# KiCad board DFTBoard.kicad_pcb (continued)
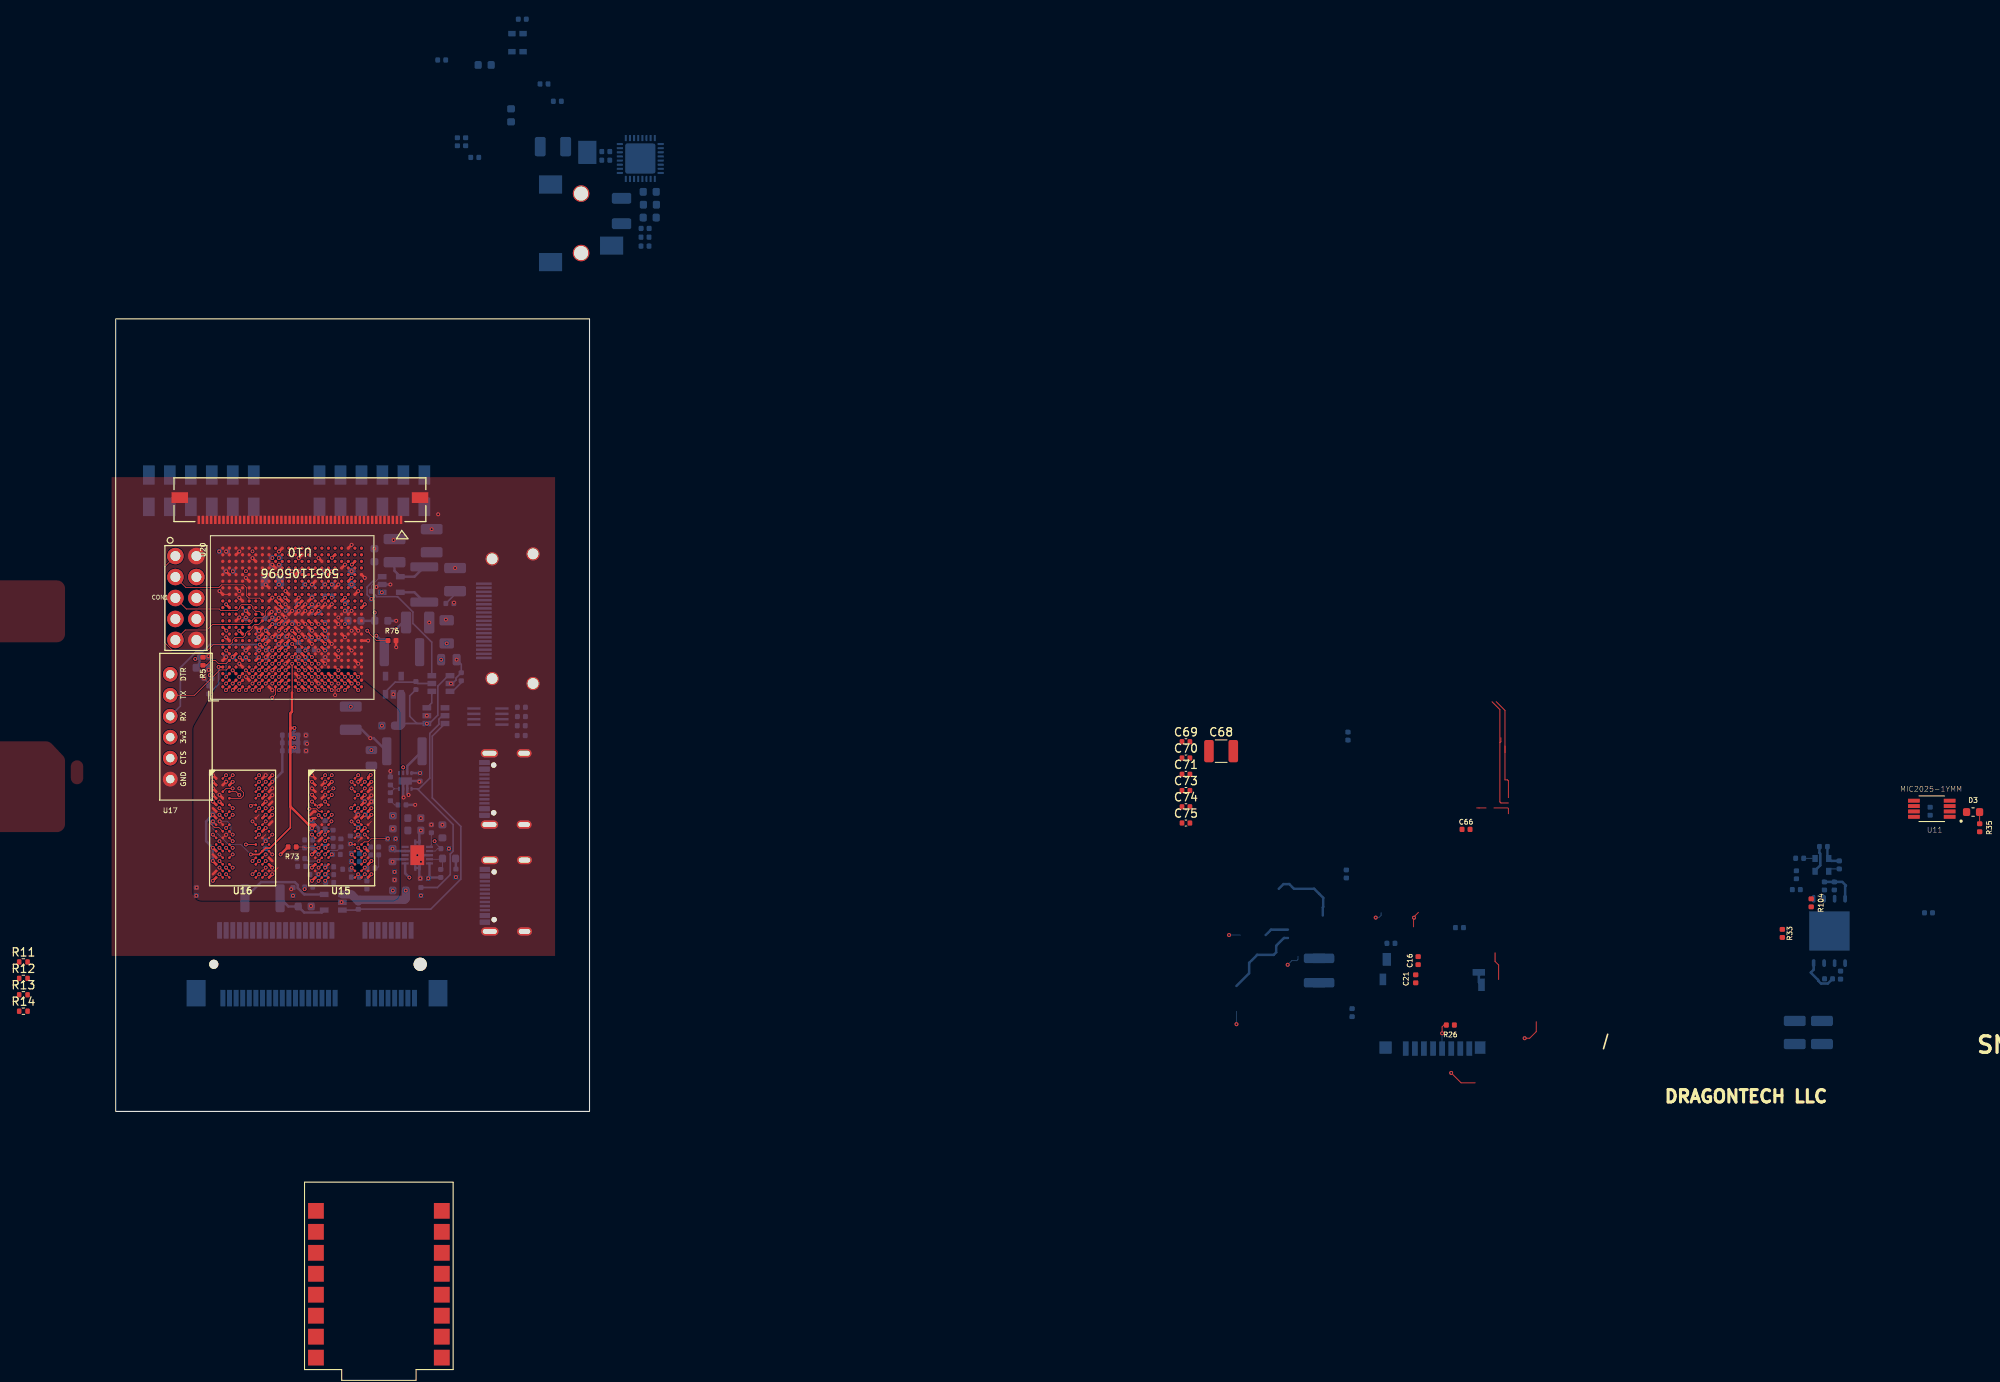
[diagram p0: board, top side]
## Routing (per net, layer and track width the routed paths; a pad name or vN(x,y) marks a point on that pad's centre or on a via; arc(x,y) is an arc through that point) (continued)
/Power/1V0TOLX: length 3.4
  BOTTOM w0.3: U3.5 36.18,62.88 L3.1
/Power/3V3TOLX: length 11.2
  BOTTOM w0.3: U4.5 22.83,26.28 22.04,27.07 22.04,27.43 21.69,27.77 17.59,27.77 L2.1
/Power/VCCAUX: length 21.4
  TOP w0.3: U20.P11 v1(23.77,59.03) ; U20.L10 v1(20.57,58.23)
  Signal1 w0.3: v1(23.77,59.03) 24.26,59.52 25.6,59.52 26.72,58.4 27.14,58.4 v1(27.77,59.03)
  Signal2 w0.1: v1(20.57,58.23) 20.37,58.03 20.37,57.5 19.94,57.07 17.12,57.07 16.27,56.22 11.04,56.22 v1(9.63,54.81)
  BOTTOM w0.3: v1(9.63,54.81) 9.83,54.81 10.16,55.13 10.16,54.23 9.75,53.83 ; 28.13,59.39 v1(27.77,59.03)
GND: length 122.2
  TOP w0.102: U16.M9 v1(18.97,31.13) ; U15.E1 v1(23.77,37.53) ; v1(11.77,35.93) 11.37,35.53 11.37,34.96 11.93,34.41 12.49,34.41 U16.J2 ; 14.15,51.01 14.17,51.03 v1(14.19,51.03) ; U16.P9 18.96,29.53 ; U20.A15 U20.B15
  TOP w0.13: U20.L13 v1(20.57,61.43) ; U20.Y12 v1(28.57,60.63)
  TOP w0.3: U20.Y22 v1(28.57,68.63) ; U20.M8 v1(21.37,57.43) ; U15.A9 30.57,40.43 v1(30.88,40.75) ; v1(18.97,57.46) 19,57.46 U20.J9 ; U20.B18 v1(13.37,65.43) ; U20.K14 v1(19.77,62.23) ; U20.M10 v1(22.17,58.23) ; U15.E2 24.78,37.13 v1(24.59,36.93) ; U20.Y2 v1(28.57,51.83) ; U20.C16 v1(14.97,63.03) ; U16.B1 v1(11.77,39.93) ; U16.T9 v1(18.97,28.73) ; U20.D14 v1(14.97,62.23) ; U20.R11 v1(24.57,59.03) ; U15.M9 v1(30.17,31.93) ; 14.57,51.41 v1(14.19,51.03) ; U20.T20 v1(24.57,67.03) ; v1(33.97,56.23) 33.95,56.24 R76.2 ; U20.V11 v1(26.97,59.03) ; U20.G10 v1(17.37,58.23) U20.F10 ; U15.B1 v1(23.77,39.93) ; U20.U3 v1(26.17,52.63) ; U20.M18 v1(22.17,65.43) ; 18.57,29.92 v1(18.96,29.53) ; U15.J8 v1(30.17,34.33) ; U15.G8 v1(30.17,35.93) ; U20.U13 v1(26.17,61.43) ; v1(20.76,57.53) 20.76,57.62 U20.L9 ; U20.K12 v1(20.57,59.83) ; 24.97,33.92 v1(24.57,33.52) ; U20.AA5 v1(29.37,54.23) ; U15.G9 v1(30.97,35.93) ; U20.K8 v1(19.77,56.63) ; U16.E2 v1(12.57,37.53) ; U20.H8 v1(18.17,56.63) ; 18.57,35.53 v1(18.96,35.92) ; v1(22.17,60.63) U20.M12 ; U20.C11 v1(14.97,59.83) ; U20.N1 v1(22.97,51.03) ; U20.N11 v1(22.97,59.03) ; U20.W9 v1(27.77,57.43) ; U20.V16 v1(26.97,63.83) ; U15.G1 23.87,35.53 v1(23.67,35.33) ; U20.AB8 v1(30.57,57.03) ; U20.L5 v1(20.57,54.23) ; U20.A15 v1(12.57,63.03) ; 18.57,36.33 v1(18.97,36.72) ; U20.W19 v1(27.77,66.23) ; U20.H16 v1(18.17,63.83) ; U15.D8 v1(30.17,38.33) ; U15.B9 v1(30.97,39.93) ; U16.E1 v1(11.77,37.53) ; U20.E17 v1(15.77,64.63) ; U20.N9 v1(22.97,57.43) ; v1(18.97,62.23) U20.H14 ; U20.F20 v1(16.57,67.03) ; U16.J8 v1(18.17,34.33) ; U20.J13 19.77,60.63 v1(19.77,60.6) ; U20.L12 v1(21.37,60.63) ; U20.G3 v1(17.37,52.63) ; U20.J11 19.71,59.77 v1(19.74,59.77) ; U20.N12 v1(22.97,60.63) ; U20.R17 v1(23.77,63.83) ; U15.F9 v1(30.97,36.73) ; v1(17.37,57.46) 17.4,57.46 U20.G9 ; U20.N13 v1(22.97,61.43) ; U16.D8 v1(18.17,38.33) ; U20.K2 v1(19.77,51.83) ; U20.Y7 v1(28.57,55.83) ; U15.P9 v1(30.97,30.33) ; U15.T9 v1(30.97,28.73) ; U20.B8 v1(13.37,57.43) ; U20.T13 v1(25.37,61.43) ; U20.U8 v1(26.17,56.63) ; U16.M1 v1(11.77,31.93) ; U20.R13 v1(24.57,61.43) ; U20.AA15 v1(29.37,63.03) ; U16.T1 v1(11.77,27.93) ; U20.H6 v1(18.17,55.03) ; U20.R9 v1(24.57,57.43) ; U20.P10 v1(23.77,58.23) ; U16.A9 v1(18.97,40.73) ; U15.B3 v1(26.17,39.93) ; U16.G1 v1(11.77,35.93) ; U20.P14 v1(23.77,62.23) ; U20.AB18 v1(30.17,64.63) ; U20.T5 v1(25.37,54.23) ; U20.P12 v1(23.77,60.63) ; U15.D1 24.17,37.96 v1(23.77,38.35) ; U16.E8 v1(18.17,37.53) ; U20.P8 v1(23.77,56.63) ; U15.E8 v1(30.17,37.53) ; U20.K10 v1(19.77,58.23) ; U20.C21 v1(14.97,67.83) ; U20.D4 v1(14.97,54.23) ; U16.P1 v1(11.77,30.33) ; U20.M14 v1(22.17,62.23) ; U20.P4 v1(23.77,53.43) ; U20.E7 v1(15.77,55.83) ; U20.N21 v1(22.17,67.03) ; U20.L15 v1(20.57,63.03) ; U20.J19 v1(18.97,66.23) ; U20.L11 v1(20.57,59.03) ; U15.T1 v1(23.77,27.93) ; U16.D1 v1(11.77,38.33) ; U16.B9 v1(18.97,39.93) ; 24.17,29.93 v1(23.77,29.53) ; U20.V6 v1(26.97,55.03) ; U16.G8 v1(18.17,35.93) ; U20.K22 v1(19.77,67.83) ; 24.17,31.52 v1(23.77,31.12) ; U20.M11 v1(22.17,59.03) ; U16.B3 v1(14.17,39.93) ; U20.H12 18.85,60.51 v1(18.88,60.51) ; U20.AA10 v1(29.37,58.23) ; U20.A5 v1(13.37,55.03)
  BOTTOM w0.102: U8.11 36.28,32.13 ; R49.2 18.88,31.13 v1(18.97,31.13)
  BOTTOM w0.2: 11.13,55.13 11.22,55.13 v1(11.23,55.14) ; 40.79,51.83 41.21,52.25 41.21,52.5 C1.2 41.85,54.16 v1(41.29,54.72) ; v1(31.31,68.15) 31.32,68.16 C2.2 ; R91.2 11.28,51.89 v1(10.71,52.46) R96.2 ; C23.2 18.1,59.73 v1(18.88,60.51) ; v1(11.27,53.49) 11.33,53.55 11.33,53.83
  BOTTOM w0.3: U8.8 v1(36.53,31.04) ; U8.11 U8.11 36.78,33.85 ; C10.2 23.68,24.85 v1(23.65,24.88) ; R94.2 R93.2 209.09,27.8 209.53,27.36 209.44,27.27 U19.4 ; C26.2 v1(33.97,59.43) ; 35.32,39.78 U5.2 35.32,38.48 v1(35.47,38.33) ; v1(31.57,63.52) 31.88,63.83 U3.2 v1(33.27,63.83) ; 34.82,39.78 U5.3 34.82,38.08 v1(34.87,38.03) ; v1(33.53,31.83) 33.81,31.54 U8.4 35.69,31.54 ; 206.33,32.08 206.33,31.32 206.43,31.21 206.43,29.81 205.81,29.19 ; C97.2 C95.2 20.18,41.14 v1(18.97,39.93) ; U8.11 U8.11 ; U8.11 36.78,30.04 ; U8.11 36.78,28.33 ; v1(36.77,39.93) 36.67,40.03 U5.9 ; C106.2 24.45,55.93 24.55,55.83 ; v1(24.57,33.52) 24.57,34.36 C93.2 ; J8.10 165.08,15.66 J8.11 ; v1(11.77,35.93) 10.95,35.11 10.95,32.75 v1(11.77,31.93) v1(11.77,30.33) ; U4.2 27.37,25.33 v1(27.35,25.35) ; R74.2 v1(22.88,26.92) ; R8.2 v1(36.27,37.13)
  vias: v1(9.77,26.13) v1(13.37,67.83) v1(15.77,59.83) v1(17.37,55.83) v1(19.77,66.23) v1(21.47,26.13) v1(22.17,55.03) v1(24.57,55.83) v1(25.37,65.43) v1(25.37,63.83) v1(25.37,55.03) v1(26.97,59.83) v1(27.77,60.63) v1(28.47,49.03) v1(28.57,65.43) v1(28.57,58.23) v1(30.97,43.77) v1(32.24,46.73) v1(33.57,35.81) v1(33.57,26.75) v1(33.65,69.21) v1(33.63,50.53) v1(33.77,29.01) v1(33.9,33.03) v1(36.95,35.53) v1(36.95,34.03) v1(36.97,30.23) v1(36.88,28.23) v1(37.68,47.94) v1(37.97,59.23) v1(38.27,70.53) v1(38.23,34.72) v1(39.05,72.33) v1(39.57,34.72) v1(39.99,59.58) v1(40.6,51.83) v1(40.97,61.63) v1(41.1,65.82)
/Audio/HPRCOM_C_N: length 56.3
  TOP w0.102: v1(161.73,4.66) 162.93,3.46 164.63,3.46
  Signal1 w0.102: v1(161.73,4.66) 161.97,4.9 167.17,4.9 167.63,5.36 167.63,6.16 167.13,6.66 153.81,6.66 151.81,4.66 146.53,4.66 140.48,10.71 139.2,10.71 135.05,14.86 134.13,14.86 133.63,14.36 133.63,12.32 135.39,10.56 v1(135.73,10.56)
  BOTTOM w0.102: 135.73,12.12 v1(135.73,10.56)
/Audio/HPRCOM_C_P: length 52.1
  TOP w0.102: v1(170.63,8.86) 171.23,8.86 172.03,9.66 172.03,10.86
  Signal1 w0.102: v1(134.83,21.36) 134.83,15.37 139.23,10.97 140.51,10.97 146.62,4.86 151.73,4.86 153.73,6.86 168.63,6.86 v1(170.63,8.86)
  BOTTOM w0.102: 136.19,21.36 v1(134.83,21.36)
/Audio/HPSWITCH: length 3.4
  TOP w0.102: 167.48,15.96 167.48,17.72 167.05,18.16 167.05,19.21
/Audio/MICBIAS: length 22.8
  TOP w0.102: 157.77,24.11 157.23,23.57 v1(157.23,23.46) 157.18,23.41 157.18,22.36
  Signal1 w0.102: v1(152.59,23.47) 157.22,23.47 v1(157.23,23.46)
  Signal2 w0.102: v1(141.93,17.76) 146.91,17.76 152.74,23.59
  BOTTOM w0.102: v1(141.93,17.76) 142.43,18.26 143.03,18.26 143.18,18.41 143.18,18.78 ; v1(152.59,23.47) 152.98,23.47 153.25,23.74 153.25,24.06
/DDR3/PGOOD_LED: length 1.2
  BOTTOM w0.3: 41.2,30.58 41.2,29.34
/DDR3/VREF: length 74.6
  TOP w0.102: U16.H1 v1(11.77,35.13) ; U20.H7 v1(18.17,55.83) ; U20.P7 v1(22.97,55.83)
  TOP w0.12: 21.37,50.73 v1(21.37,54.23)
  TOP w0.15: U15.M8 v1(29.37,31.93)
  TOP w0.2: v1(16.37,31.13) 17.37,31.13 U16.M8 18.13,31.89 18.68,31.89 21.15,34.37 21.15,36.94
  TOP w0.3: 21.15,44.11 21.15,36.94 23.36,34.73 U15.H1 ; 21.15,44.11 21.61,44.11 v1(21.64,44.08) ; 21.15,44.11 21.15,45.25 ; 21.15,46.38 21.15,45.25 ; 21.15,46.38 21.15,48.21 21.35,48.41 21.35,50.71 21.37,50.73 ; 21.15,46.38 21.22,46.45 v1(21.65,46.45) ; 21.15,45.25 21.16,45.26 v1(21.62,45.26) ; 24.17,34.72 v1(23.77,34.32)
  Signal1 w0.3: v1(29.37,31.93) 29.86,32.42 32.09,32.42 35.57,28.94 v1(35.57,28.33)
  Signal2 w0.102: v1(18.17,55.83) 18.56,55.43 18.56,54.85 18.78,54.63 20.96,54.63 v1(21.37,54.23) 21.76,54.62 22.34,54.62 22.57,54.85 22.57,55.43 v1(22.97,55.83)
  Signal3 w0.15: v1(29.37,31.93) 29.13,32.17 29.13,32.34 26.75,34.72 24.8,34.72 24.78,34.74 24.19,34.74 v1(23.77,34.32)
  BOTTOM w0.102: v1(16.37,31.13) 15.16,32.33 13.98,32.33 13.96,32.35 13.65,32.35 11.77,34.23 v1(11.77,35.13)
  BOTTOM w0.12: 21.89,45.84 21.63,45.58
  BOTTOM w0.3: v1(21.64,44.08) 21.68,44.08 C94.2 ; v1(35.57,28.33) 35.05,28.84 U8.1 ; C96.2 21.77,45.26 v1(21.62,45.26) ; C97.1 21.65,46.07 v1(21.65,46.45)
  BOTTOM w0.45: R48.1 R47.2 ; C94.2 C96.2 C97.1 C95.1 C94.2
/DDR3/ZQH: length 3.5
  TOP w0.102: v1(32.96,33.05) 32.94,33.03 R46.1 30.94,33.03 30.56,32.65 30.09,32.65 U15.L8
/DDR3/ZQL: length 0.6
  TOP w0.102: U16.L8 v1(18.17,32.73)
/USB/USBH_FLAG_LED: length 1.4
  TOP w0.102: R35.1 225.73,36.25
AX_TCLK: length 25.1
  TOP w0.1: U20.G11 17.32,58.98 16.82,58.98 16.52,58.68 16.52,58.48 16.22,58.18 16.02,58.18 15.72,57.88 15.72,57.68 15.42,57.38 14.42,57.38 14.12,57.08 14.12,56.79 13.91,56.58 11.85,56.58 11.12,55.85 6.86,55.85 5.97,56.74 5.97,66.01 CON1.1
AX_TDI: length 13.4
  TOP w0.1: CON1.9 8.43,58.31 11.06,58.31 11.73,58.98 16.22,58.98 16.52,59.28 16.52,59.48 16.82,59.78 17.82,59.78 18.12,60.08 18.12,60.58 U20.H13
AX_TDO: length 12.7
  TOP w0.1: 7.28,64.78 CON1.3 8.5,63.46 12.5,63.46 12.82,63.78 15.51,63.78 15.82,63.48 15.82,62.48 16.12,62.18 17.42,62.18 U20.G14
AX_TMS: length 12.2
  TOP w0.1: U20.G12 17.42,60.58 16.92,60.58 16.62,60.88 16.62,61.13 16.37,61.38 15.22,61.38 15.02,61.17 15.02,60.98 14.71,60.67 12.73,60.67 12.54,60.86 8.56,60.86 CON1.5
BOOTSPI_SCK_BMODE4: length 4.3
  TOP w0.2: U20.A4 12.96,53.84 v1(12.46,53.84)
  BOTTOM w0.2: v1(12.46,53.84) 12.46,51.75 R91.1
CLK33.33: length 1.4
  BOTTOM w0.102: R100.2 205.78,30.66
DDR3_A0: length 51.6
  TOP w0.102: U16.N3 v1(14.17,31.13) ; U15.N3 v1(26.17,31.13)
  TOP w0.13: U20.M4 22.16,53.43 v1(22.16,53.43)
  Signal3 w0.102: v1(22.16,53.43) 22.57,53.03 22.57,50 22.07,49.5 21.64,49.5 20.19,48.05 20.15,48.02 20.1,48 20.05,47.98 19.99,47.98 19.94,48 19.89,48.02 19.81,48.09 19.76,48.11 19.71,48.12 19.65,48.12 19.6,48.11 19.55,48.09 19.51,48.05 19.43,47.97 19.39,47.93 19.37,47.88 19.36,47.83 19.36,47.77 19.37,47.72 19.39,47.67 19.43,47.63 19.6,47.46 19.59,47.45 19.76,47.28 19.8,47.24 19.82,47.19 19.83,47.14 19.83,47.08 19.82,47.03 19.8,46.98 19.76,46.94 19.68,46.86 19.64,46.82 19.59,46.8 19.54,46.79 19.48,46.79 19.43,46.8 19.38,46.82 19.34,46.86 19,47.2 18.95,47.23 18.91,47.25 18.85,47.27 18.8,47.27 18.75,47.25 18.7,47.23 18.66,47.2 18.57,47.11 18.54,47.07 18.52,47.02 18.5,46.97 18.5,46.92 18.52,46.86 18.54,46.82 18.57,46.77 18.91,46.43 18.95,46.39 18.97,46.34 18.98,46.29 18.98,46.23 18.97,46.18 18.95,46.13 18.91,46.09 18.83,46.01 18.79,45.97 18.74,45.95 18.69,45.94 18.63,45.94 18.58,45.95 18.53,45.97 18.49,46.01 18.15,46.35 18.11,46.38 18.06,46.41 18,46.42 17.95,46.42 17.9,46.41 17.85,46.38 17.81,46.35 17.72,46.27 17.69,46.22 17.67,46.18 17.65,46.12 17.65,46.07 17.67,46.02 17.69,45.97 17.72,45.93 18.07,45.58 18.1,45.54 18.12,45.49 18.13,45.44 18.13,45.39 18.12,45.33 18.1,45.28 18.07,45.24 17.98,45.16 17.94,45.13 17.89,45.1 17.84,45.09 17.78,45.09 17.73,45.1 17.68,45.13 17.64,45.16 17.3,45.5 17.26,45.53 17.21,45.56 17.16,45.57 17.1,45.57 17.05,45.56 17,45.53 16.96,45.5 16.88,45.42 16.84,45.38 16.82,45.33 16.81,45.27 16.81,45.22 16.82,45.17 16.84,45.12 16.88,45.08 17.22,44.74 17.25,44.69 17.27,44.64 17.29,44.59 17.29,44.54 17.27,44.48 17.25,44.44 17.22,44.39 17.13,44.31 17.09,44.28 17.04,44.25 16.99,44.24 16.94,44.24 16.88,44.25 16.83,44.28 16.79,44.31 16.45,44.65 16.41,44.69 16.36,44.71 16.31,44.72 16.25,44.72 16.2,44.71 16.15,44.69 16.11,44.65 16.03,44.57 15.99,44.53 15.97,44.48 15.96,44.43 15.96,44.37 15.97,44.32 15.99,44.27 16.06,44.19 16.08,44.14 16.1,44.08 16.1,44.03 16.08,43.98 16.06,43.93 16.03,43.89 13.77,41.63 13.77,37.18 12.97,36.38 12.97,34.88 12.82,34.73 11.72,34.73 11.27,34.28 11.27,33.33 11.47,33.12 13.22,33.12 13.77,32.58 13.77,31.53 v1(14.17,31.13) 14.57,31.53 19.92,31.53 20.32,31.93 20.42,31.93 20.46,31.92 20.49,31.91 20.52,31.89 20.55,31.86 20.57,31.83 20.58,31.79 20.59,31.72 20.61,31.68 20.63,31.65 20.65,31.62 20.69,31.6 20.72,31.59 20.76,31.59 20.82,31.59 20.86,31.59 20.89,31.6 20.92,31.62 20.95,31.65 20.97,31.68 20.98,31.72 20.99,31.79 21.01,31.83 21.03,31.86 21.05,31.89 21.09,31.91 21.12,31.92 21.16,31.93 23.95,31.93 24.36,31.52 25.77,31.52 v1(26.17,31.13)
DDR3_A1: length 52.1
  TOP w0.102: U16.P7 v1(17.37,30.33) ; U15.P7 28.57,30.32
  TOP w0.13: U20.M5 v1(22.17,54.23)
  Signal1 w0.102: 18.57,30.53 18.37,30.73 17.91,30.73 17.43,31.21 17.43,32.37 15.68,34.11 15.68,36.94 16.67,37.93 18.77,37.93 18.78,37.92 19.16,37.92 19.97,38.73 19.97,40.08 19.97,40.12 19.99,40.16 20.01,40.2 20.04,40.23 20.08,40.26 20.12,40.27 20.17,40.28 20.25,40.28 20.3,40.28 20.34,40.3 20.38,40.32 20.41,40.35 20.43,40.39 20.45,40.43 20.45,40.48 20.45,40.52 20.43,40.56 20.41,40.6 20.38,40.63 20.34,40.66 20.3,40.67 20.25,40.68 19.8,40.68 19.76,40.68 19.73,40.69 19.7,40.71 19.67,40.74 19.65,40.77 19.64,40.81 19.63,40.84 19.63,40.91 19.64,40.95 19.65,40.98 19.67,41.01 19.7,41.04 19.73,41.06 19.76,41.07 19.8,41.08 20.25,41.08 20.3,41.08 20.34,41.1 20.38,41.12 20.41,41.15 20.43,41.19 20.45,41.23 20.45,41.28 20.45,41.32 20.43,41.36 20.41,41.4 20.38,41.43 20.34,41.46 20.3,41.47 20.25,41.48 19.68,41.48 19.64,41.48 19.6,41.5 19.56,41.52 19.53,41.55 19.5,41.59 19.49,41.63 19.48,41.68 19.49,41.72 19.5,41.76 19.53,41.8 19.56,41.83 19.6,41.86 19.64,41.87 19.68,41.88 20.25,41.88 20.3,41.88 20.34,41.9 20.38,41.92 20.41,41.95 20.43,41.99 20.45,42.03 20.45,42.08 20.45,42.12 20.43,42.16 20.41,42.2 20.38,42.23 20.34,42.26 20.3,42.27 20.25,42.28 19.68,42.28 19.64,42.28 19.6,42.3 19.56,42.32 19.53,42.35 19.5,42.39 19.49,42.43 19.48,42.48 19.49,42.52 19.5,42.56 19.53,42.6 19.56,42.63 19.6,42.66 19.64,42.67 19.68,42.68 20.25,42.68 20.3,42.68 20.34,42.7 20.38,42.72 20.41,42.75 20.43,42.79 20.45,42.83 20.45,42.88 20.45,42.92 20.43,42.96 20.41,43 20.38,43.03 20.34,43.06 20.3,43.07 20.25,43.08 19.68,43.08 19.64,43.08 19.6,43.1 19.56,43.12 19.53,43.15 19.5,43.19 19.49,43.23 19.48,43.28 19.49,43.32 19.5,43.36 19.53,43.4 19.56,43.43 19.6,43.46 19.64,43.47 19.68,43.48 20.25,43.48 20.3,43.48 20.34,43.5 20.38,43.52 20.41,43.55 20.43,43.59 20.45,43.63 20.45,43.68 20.45,43.72 20.43,43.76 20.41,43.8 20.38,43.83 20.34,43.86 20.3,43.87 20.25,43.88 19.73,43.88 19.69,43.88 19.65,43.9 19.61,43.92 19.58,43.95 19.55,43.99 19.54,44.03 19.53,44.08 19.54,44.12 19.55,44.16 19.58,44.2 19.61,44.23 19.65,44.26 19.69,44.27 19.73,44.28 19.77,44.28 19.81,44.28 19.85,44.3 19.89,44.32 19.92,44.35 19.95,44.39 19.96,44.43 19.97,44.48 19.97,47.58 21.37,48.98 21.37,53.57 21.9,54.1 22.04,54.1 v1(22.17,54.23) ; 18.57,30.53 18.77,30.73 21.82,30.73 21.86,30.72 21.9,30.71 21.94,30.68 21.97,30.65 22,30.61 22.01,30.57 22.02,30.53 22.02,30.43 22.02,30.38 22.04,30.34 22.06,30.3 22.09,30.27 22.13,30.25 22.17,30.23 22.22,30.23 22.26,30.23 22.3,30.25 22.34,30.27 22.37,30.3 22.4,30.34 22.41,30.38 22.42,30.43 22.42,31.03 22.42,31.07 22.44,31.11 22.46,31.15 22.49,31.18 22.53,31.21 22.57,31.22 22.62,31.23 22.66,31.22 22.7,31.21 22.74,31.18 22.77,31.15 22.8,31.11 22.81,31.07 22.82,31.03 22.82,30.93 22.82,30.88 22.84,30.84 22.86,30.8 22.89,30.77 22.93,30.75 22.97,30.73 23.02,30.73 28.17,30.73 v1(28.57,30.33) ; 18.57,30.53 18.57,30.13 18.37,29.93 17.77,29.93 v1(17.37,30.33)
DDR3_A2: length 46.8
  TOP w0.102: U16.P3 v1(14.17,29.53) ; U15.P3 v1(25.37,29.53)
  TOP w0.13: U20.K4 v1(19.77,53.43)
  Signal1 w0.102: v1(25.37,29.53) 24.97,29.13 24.27,29.13 23.79,28.65 21.59,28.65 20.87,27.93 15.77,27.93 v1(14.17,29.53)
  Signal3 w0.102: v1(19.77,53.43) 19.77,53.09 19.7,53.02 19.58,53.02 19.37,52.81 19.37,50.78 19.12,50.53 18.17,50.53 17.34,49.7 16.79,49.7 9.52,42.43 9.52,31.58 10.37,30.73 12.97,30.73 v1(14.17,29.53)
DDR3_A3: length 51.7
  TOP w0.102: U16.N2 v1(12.57,31.13) ; v1(24.57,30.32) 24.57,30.33 U15.N2
  TOP w0.13: U20.L4 v1(20.57,53.43)
  Signal2 w0.102: v1(24.57,30.32) 24.17,29.93 23.04,29.93 23,29.93 22.96,29.94 22.93,29.96 22.9,29.99 22.88,30.02 22.87,30.06 22.86,30.14 22.85,30.17 22.83,30.2 22.8,30.23 22.77,30.25 22.74,30.26 22.7,30.27 22.64,30.27 22.6,30.26 22.56,30.25 22.53,30.23 22.5,30.2 22.48,30.17 22.47,30.14 22.47,30.1 22.47,29.93 22.44,29.93 22.44,29.76 22.43,29.72 22.42,29.68 22.4,29.65 22.37,29.62 22.34,29.6 22.31,29.59 22.27,29.59 22.21,29.59 22.17,29.59 22.13,29.6 22.1,29.62 22.07,29.65 22.05,29.68 22.04,29.72 22.03,29.8 22.02,29.83 22,29.86 21.97,29.89 21.94,29.91 21.91,29.92 21.87,29.93 14.57,29.93 13.37,31.13 v1(12.57,31.13)
  Signal3 w0.102: v1(12.57,31.13) 10.57,31.13 9.83,31.87 9.83,41.23 12.05,43.45 12.08,43.49 12.1,43.53 12.11,43.57 12.11,43.62 12.1,43.66 12.08,43.7 12.05,43.73 11.76,44.03 11.73,44.07 11.7,44.11 11.69,44.16 11.69,44.21 11.7,44.26 11.73,44.31 11.76,44.35 11.87,44.46 11.9,44.49 11.95,44.51 12,44.52 12.05,44.52 12.1,44.51 12.14,44.49 12.18,44.46 12.48,44.16 12.51,44.13 12.55,44.11 12.59,44.1 12.64,44.1 12.68,44.11 12.72,44.13 12.76,44.16 12.9,44.3 12.93,44.34 12.95,44.38 12.96,44.42 12.96,44.47 12.95,44.51 12.93,44.55 12.9,44.58 12.6,44.88 12.57,44.92 12.55,44.96 12.54,45.01 12.54,45.06 12.55,45.11 12.57,45.15 12.6,45.19 12.71,45.3 12.75,45.33 12.8,45.36 12.85,45.37 12.9,45.37 12.95,45.36 12.99,45.33 13.03,45.3 13.33,45.01 13.36,44.98 13.4,44.96 13.44,44.95 13.49,44.95 13.53,44.96 13.57,44.98 13.61,45.01 13.75,45.15 13.78,45.19 13.8,45.23 13.81,45.27 13.81,45.31 13.8,45.36 13.78,45.4 13.75,45.43 13.45,45.73 13.42,45.77 13.4,45.81 13.39,45.86 13.39,45.91 13.4,45.96 13.42,46 13.45,46.04 13.56,46.15 13.6,46.18 13.65,46.2 13.7,46.22 13.75,46.22 13.79,46.2 13.84,46.18 13.88,46.15 14.17,45.86 14.21,45.83 14.25,45.81 14.29,45.8 14.34,45.8 14.38,45.81 14.42,45.83 14.45,45.86 14.6,46 14.63,46.03 14.65,46.07 14.66,46.12 14.66,46.16 14.65,46.21 14.63,46.25 14.6,46.28 14.46,46.42 14.3,46.58 14.27,46.62 14.25,46.66 14.24,46.71 14.24,46.76 14.25,46.81 14.27,46.85 14.3,46.89 14.41,47 14.45,47.03 14.5,47.06 14.55,47.07 14.6,47.07 14.64,47.06 14.69,47.03 14.77,46.97 14.81,46.95 14.86,46.94 14.91,46.94 14.96,46.95 15,46.97 15.04,47 17.57,49.53 19.2,49.53 20.17,50.49 20.17,53.03 v1(20.57,53.43)
  BOTTOM w0.102: 23,30.63 23.31,30.32 v1(24.57,30.32)
DDR3_A4: length 50.4
  TOP w0.102: U16.P8 v1(18.17,30.33) ; U15.P8 v1(30.17,30.33)
  TOP w0.13: U20.K6 v1(19.77,55.03)
  Signal1 w0.102: v1(19.77,55.03) 20.17,54.63 20.82,54.63 20.97,54.48 20.97,49.2 18.84,47.08 18.84,47 18.84,46.96 18.82,46.92 18.8,46.88 18.77,46.85 18.73,46.82 18.69,46.81 18.64,46.8 18.59,46.8 18.55,46.8 18.5,46.78 18.47,46.76 18.43,46.73 18.41,46.69 18.4,46.65 18.39,46.6 18.4,46.56 18.41,46.52 18.43,46.48 18.47,46.45 18.5,46.42 18.55,46.41 18.59,46.4 19.09,46.4 19.14,46.4 19.18,46.38 19.22,46.36 19.25,46.33 19.27,46.29 19.29,46.25 19.29,46.2 19.29,46.16 19.27,46.12 19.25,46.08 19.22,46.05 19.18,46.02 19.14,46.01 19.09,46 18.59,46 18.55,46 18.5,45.98 18.47,45.96 18.43,45.93 18.41,45.89 18.4,45.85 18.39,45.8 18.4,45.76 18.41,45.72 18.43,45.68 18.47,45.65 18.5,45.62 18.55,45.61 18.59,45.6 19.09,45.6 19.14,45.6 19.18,45.58 19.22,45.56 19.25,45.53 19.27,45.49 19.29,45.45 19.29,45.4 19.29,45.36 19.27,45.32 19.25,45.28 19.22,45.25 19.18,45.22 19.14,45.21 19.09,45.2 19.04,45.2 19,45.2 18.96,45.18 18.92,45.16 18.89,45.13 18.86,45.09 18.85,45.05 18.84,45 18.84,42.35 18.32,41.83 18.32,41.53 18.57,41.28 19.07,41.28 19.37,40.98 19.37,38.85 19.22,38.7 18.37,38.7 18.36,38.72 16.76,38.72 15.18,37.14 15.18,34.07 17.22,32.02 17.22,31.08 17.98,30.33 v1(18.17,30.33)
  Signal3 w0.102: v1(18.17,30.33) 18.57,29.93 21.92,29.93 21.96,29.92 22,29.91 22.04,29.88 22.07,29.85 22.1,29.81 22.11,29.77 22.12,29.73 22.12,29.65 22.12,29.61 22.14,29.57 22.16,29.53 22.19,29.5 22.23,29.47 22.27,29.46 22.32,29.45 22.36,29.46 22.4,29.47 22.44,29.5 22.47,29.53 22.5,29.57 22.51,29.61 22.52,29.65 22.52,29.73 22.52,29.77 22.54,29.81 22.56,29.85 22.59,29.88 22.63,29.91 22.67,29.92 22.72,29.93 U15.P8 v1(30.17,30.33)
  BOTTOM w0.102: R55.1 30.17,30.36 v1(30.17,30.33)
DDR3_A5: length 52.8
  TOP w0.102: U15.P2 24.57,29.53 v1(24.57,29.53) ; U16.P2 v1(12.57,30.33)
  TOP w0.13: U20.K5 v1(19.77,54.23)
  Signal1 w0.102: v1(24.57,29.53) 24.38,29.53 23.98,29.13 20.57,29.13 19.77,28.33 16.15,28.33 14.56,29.92 12.97,29.92 v1(12.57,30.33)
  Signal3 w0.102: v1(19.77,54.23) 19.37,53.83 19.37,53.25 19.16,53.03 18.95,53.03 18.94,53.03 18.67,53.03 18.57,52.93 18.57,51.58 17.07,50.08 16.22,50.08 15.47,49.33 arc(15.41,49.17) 15.47,49.01 arc(15.54,48.86) 15.47,48.7 15.37,48.59 arc(15.21,48.52) 15.05,48.59 14.82,48.82 arc(14.75,48.85) 14.68,48.82 14.39,48.54 arc(14.37,48.47) 14.39,48.4 14.62,48.17 arc(14.69,48.01) 14.62,47.85 14.52,47.74 arc(14.36,47.68) 14.2,47.74 13.97,47.97 arc(13.9,48) 13.83,47.97 13.55,47.69 arc(13.52,47.62) 13.55,47.55 13.78,47.32 arc(13.84,47.16) 13.78,47 13.67,46.89 arc(13.51,46.83) 13.35,46.89 13.12,47.12 arc(13.05,47.15) 12.98,47.12 12.7,46.84 arc(12.67,46.77) 12.7,46.7 12.93,46.47 arc(12.99,46.31) 12.93,46.15 12.82,46.05 arc(12.66,45.98) 12.5,46.05 12.5,46.05 arc(12.34,46.11) 12.19,46.05 9.19,43.05 9.19,31.36 10.86,29.68 11.92,29.68 v1(12.57,30.33)
  BOTTOM w0.102: R56.1 23.27,29.68 23.51,29.92 24.17,29.92 v1(24.57,29.53)
DDR3_A6: length 50.7
  TOP w0.102: U15.R8 v1(30.17,29.53) ; U16.R8 v1(18.17,29.53)
  TOP w0.13: U20.J7 v1(18.97,55.83)
  Signal1 w0.102: v1(30.17,29.53) 29.77,29.93 25.95,29.93 25.9,29.93 25.86,29.95 25.83,29.97 25.8,30 25.78,30.03 25.76,30.07 25.75,30.16 25.74,30.2 25.72,30.24 25.69,30.27 25.65,30.29 25.61,30.3 25.57,30.31 25.35,30.31 25.3,30.3 25.26,30.29 25.23,30.27 25.2,30.24 25.18,30.2 25.16,30.16 25.15,30.07 25.14,30.03 25.12,30 25.09,29.97 25.05,29.95 25.01,29.93 24.97,29.93 20.65,29.93 19.86,29.13 18.56,29.13 v1(18.17,29.53) 17.57,29.53 16.97,30.13 16.97,30.73 16.87,30.83 16.87,31.73 16.24,32.36 16.24,32.44 15.96,32.72 15.87,32.72 14.57,34.03 14.57,37.18 16.62,39.23 16.62,40.93 17.37,41.68 17.37,43.08 17.37,43.12 17.39,43.16 17.41,43.2 17.44,43.23 17.48,43.26 17.52,43.27 17.57,43.28 17.62,43.28 17.66,43.28 17.7,43.3 17.74,43.32 17.77,43.35 17.8,43.39 17.81,43.43 17.82,43.48 17.81,43.52 17.8,43.56 17.77,43.6 17.74,43.63 17.7,43.66 17.66,43.67 17.62,43.68 17.12,43.68 17.07,43.68 17.03,43.7 16.99,43.72 16.96,43.75 16.94,43.79 16.92,43.83 16.92,43.88 16.92,43.92 16.94,43.96 16.96,44 16.99,44.03 17.03,44.06 17.07,44.07 17.12,44.08 17.62,44.08 17.66,44.08 17.7,44.1 17.74,44.12 17.77,44.15 17.8,44.19 17.81,44.23 17.82,44.28 17.81,44.32 17.8,44.36 17.77,44.4 17.74,44.43 17.7,44.46 17.66,44.47 17.62,44.48 17.12,44.48 17.07,44.48 17.03,44.5 16.99,44.52 16.96,44.55 16.94,44.59 16.92,44.63 16.92,44.68 16.92,44.72 16.94,44.76 16.96,44.8 16.99,44.83 17.03,44.86 17.07,44.87 17.12,44.88 17.62,44.88 17.66,44.88 17.7,44.9 17.74,44.92 17.77,44.95 17.8,44.99 17.81,45.03 17.82,45.08 17.81,45.12 17.8,45.16 17.77,45.2 17.74,45.23 17.7,45.26 17.66,45.27 17.62,45.28 17.12,45.28 17.07,45.28 17.03,45.3 16.99,45.32 16.96,45.35 16.94,45.39 16.92,45.43 16.92,45.48 16.92,45.52 16.94,45.56 16.96,45.6 16.99,45.63 17.03,45.66 17.07,45.67 17.12,45.68 17.17,45.68 17.21,45.68 17.25,45.7 17.29,45.72 17.32,45.75 17.35,45.79 17.36,45.83 17.37,45.88 17.37,46.28 20.17,49.08 20.17,52.83 19.97,53.03 19.57,53.03 19.37,53.23 19.37,55.43 v1(18.97,55.83)
  BOTTOM w0.102: 30.43,29.53 v1(30.17,29.53) 30.38,29.53
DDR3_A7: length 51
  TOP w0.102: U16.R2 v1(12.57,29.53) ; U15.R2 v1(24.57,28.73)
  TOP w0.13: U20.J6 v1(18.97,55.03)
  Signal2 w0.102: v1(24.57,28.73) 24.17,28.33 23.34,28.33 23.3,28.33 23.26,28.34 23.23,28.36 23.2,28.39 23.18,28.42 23.17,28.46 23.16,28.53 23.15,28.57 23.13,28.6 23.1,28.63 23.07,28.65 23.04,28.66 23,28.67 22.94,28.67 22.9,28.66 22.86,28.65 22.83,28.63 22.8,28.6 22.78,28.57 22.77,28.53 22.77,28.5 22.77,28.33 22.74,28.33 22.74,28.16 22.73,28.12 22.72,28.08 22.7,28.05 22.67,28.03 22.64,28.01 22.61,27.99 22.57,27.99 22.51,27.99 22.47,27.99 22.43,28.01 22.4,28.03 22.37,28.05 22.35,28.08 22.34,28.12 22.33,28.2 22.32,28.23 22.3,28.26 22.27,28.29 22.24,28.31 22.21,28.32 22.17,28.33 14.57,28.33 13.77,29.13 U16.R2 v1(12.57,29.53)
  Signal3 w0.102: v1(12.57,29.53) 12.51,29.47 10.4,29.47 8.87,31 8.87,43.34 10.58,45.04 arc(10.66,45.26) 10.58,45.47 10.47,45.57 arc(10.38,45.79) 10.47,46 arc(10.68,46.09) 10.89,46 11.28,45.61 arc(11.35,45.58) 11.42,45.61 11.71,45.89 arc(11.74,45.96) 11.71,46.03 arc(11.68,46.1) 11.71,46.18 14.27,48.74 14.26,48.78 14.23,48.82 14.07,48.98 14.08,48.99 13.94,49.12 13.92,49.15 13.9,49.19 13.89,49.23 13.89,49.27 13.9,49.31 13.92,49.35 13.94,49.39 13.96,49.4 13.99,49.43 14.03,49.45 14.07,49.46 14.12,49.46 14.16,49.45 14.19,49.43 14.26,49.38 14.3,49.36 14.34,49.35 14.38,49.35 14.42,49.36 14.46,49.38 14.49,49.4 15.62,50.53 16.67,50.53 16.97,50.83 16.97,51.33 17.07,51.43 17.57,51.43 17.77,51.63 17.77,52.83 17.97,53.03 18.34,53.03 18.56,53.25 18.56,54.62 v1(18.97,55.03)
DDR3_A8: length 50.1
  TOP w0.102: U16.T8 v1(18.17,28.73) ; U15.T8 v1(30.17,28.73)
  TOP w0.13: U20.J5 v1(18.97,54.23)
  Signal1 w0.102: v1(18.97,54.23) 18.57,53.83 17.97,53.83 17.77,53.63 17.77,49.63 17.57,49.43 17.53,49.4 17.49,49.38 17.45,49.37 17.4,49.37 17.36,49.38 17.32,49.4 17.28,49.43 17.21,49.5 17.18,49.53 17.14,49.55 17.09,49.56 17.05,49.56 17.01,49.55 16.97,49.53 16.93,49.5 16.9,49.46 16.88,49.42 16.87,49.38 16.87,49.33 16.88,49.29 16.9,49.25 16.93,49.22 17.23,48.91 17.25,48.89 17.26,48.87 17.27,48.84 17.27,48.81 17.26,48.79 17.25,48.76 17.23,48.74 17.13,48.63 17.1,48.61 17.08,48.6 17.05,48.6 17.02,48.6 17,48.6 16.97,48.61 16.95,48.63 16.65,48.93 16.61,48.96 16.57,48.98 16.53,48.99 16.48,48.99 16.44,48.98 16.4,48.96 16.37,48.93 16.34,48.9 16.32,48.86 16.31,48.81 16.31,48.77 16.32,48.73 16.34,48.68 16.37,48.65 16.44,48.58 16.46,48.54 16.48,48.5 16.49,48.46 16.49,48.42 16.48,48.37 16.46,48.33 16.44,48.3 12.17,44.03 12.17,32.55 12.39,32.33 12.79,32.33 12.97,32.15 12.97,31.7 13.14,31.53 14.57,31.53 16.17,29.93 16.82,29.93 17.62,29.13 17.77,29.13 v1(18.17,28.73)
  Signal3 w0.102: v1(30.17,28.73) U15.T8 27.82,28.33 27.77,28.33 27.73,28.35 27.69,28.37 27.66,28.4 27.64,28.44 27.62,28.48 27.62,28.53 27.62,28.6 27.61,28.65 27.6,28.69 27.57,28.73 27.54,28.76 27.5,28.78 27.46,28.8 27.42,28.8 27.37,28.8 27.33,28.78 27.29,28.76 27.26,28.73 27.24,28.69 27.22,28.65 27.22,28.6 27.22,28.53 27.21,28.48 27.2,28.44 27.17,28.4 27.14,28.37 27.1,28.35 27.06,28.33 27.02,28.33 18.57,28.33 v1(18.17,28.73)